# KiCad board numpad.kicad_pcb (continued)
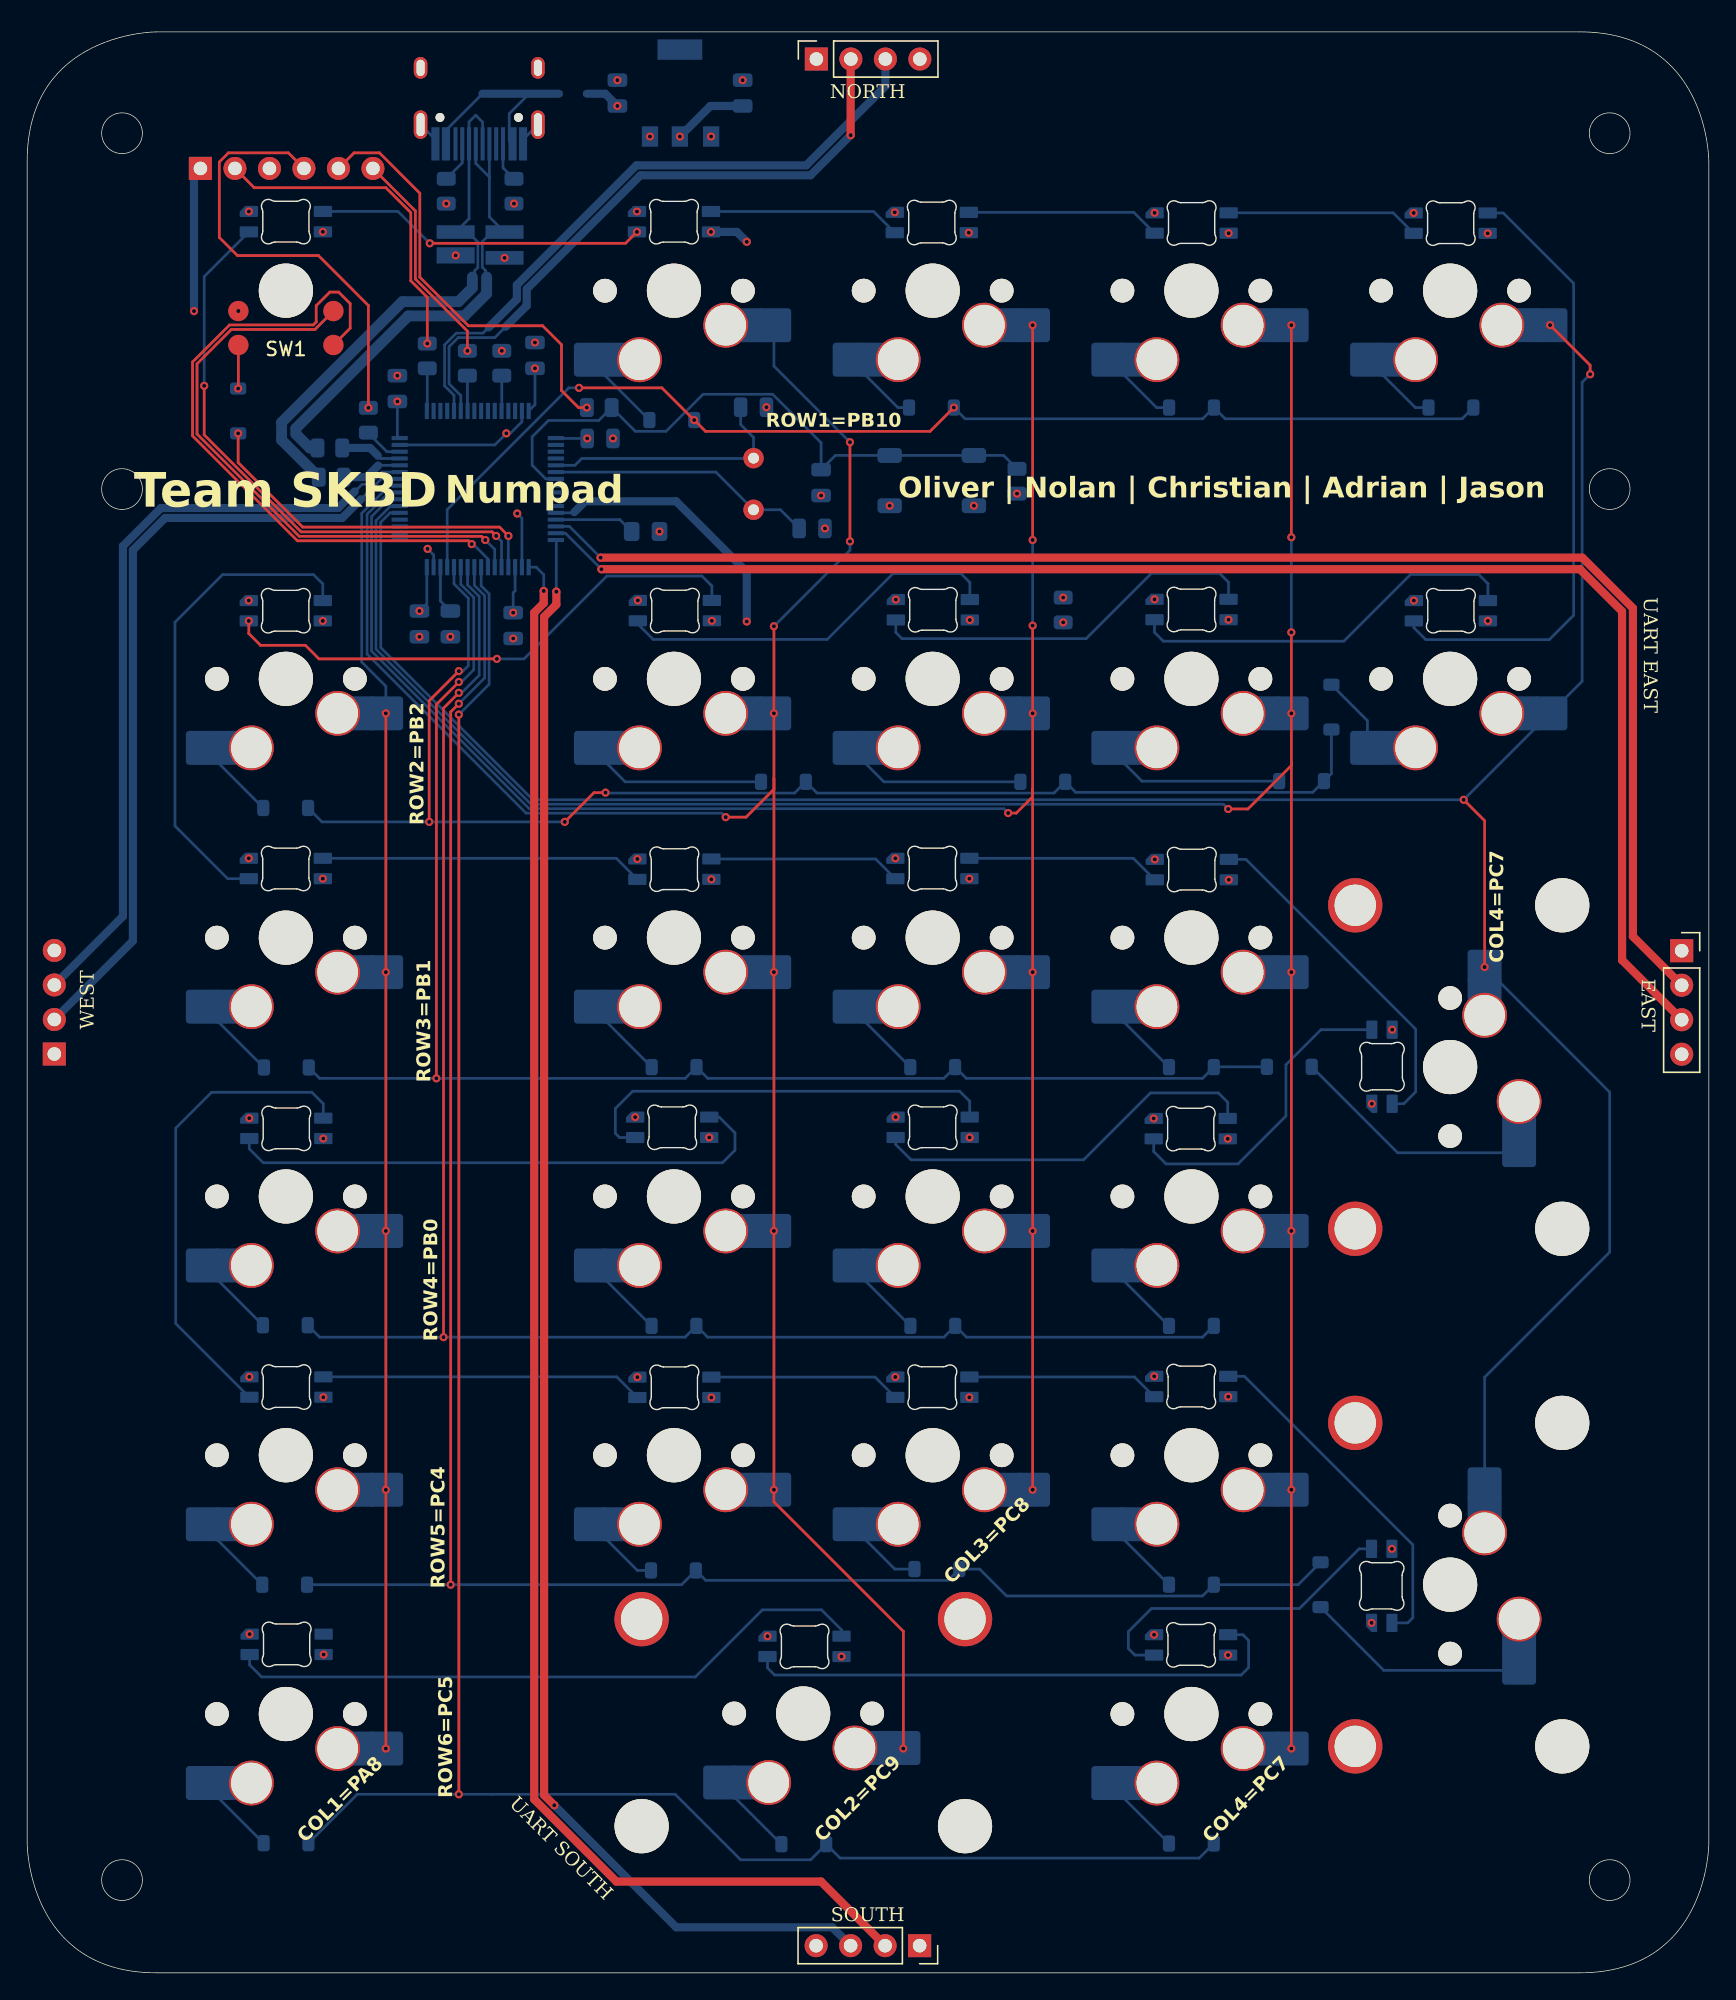
[diagram p0: board, top side]
## Footprints (pads in the part's own frame, mm; a bottom-side part is the same pattern mirrored in y, then rotated)
C_0805_2012Metric
  rrect 1x1.45 smd: 1(-0.95,0) 2(0.95,0)
Crystal_HC52-U_Vertical
  round 1.5 hole 0.8: 1(0,0) 2(3.8,0)
D_SOD-123
  rrect 0.9x1.2 smd: 1(-1.65,0) 2(1.65,0)
D_SOD-323
  rrect 0.6x0.45 smd: 1(-1.05,0) 2(1.05,0)
Fuse_0805_2012Metric_Pad1.15x1.40mm_BigPads
  rrect 1.15x1.4 smd: 1(-1.025,0) 2(1.025,0)
HRO-TYPE-C-31-M-12-HandSoldering
  round 0.65 hole 0.65 unplated: (-2.89,6.25) (2.89,6.25)
  rect 0.6x2.45 smd: 1(-3.225,8.195) 2(-2.45,8.195) 11(2.45,8.195) 12(3.225,8.195)
  rect 0.3x2.45 smd: 3(-1.75,8.195) 4(-1.25,8.195) 5(-0.75,8.195) 6(-0.25,8.195) 7(0.25,8.195) 8(0.75,8.195) 9(1.25,8.195) 10(1.75,8.195)
  oval 1x1.6 hole 0.6x1.2: 13(-4.32,2.6) 13(4.32,2.6)
  oval 1x2.1 hole 0.6x1.7: 13(-4.32,6.78) 13(4.32,6.78)
LED_MX_6028R
  rrect 1.35x0.82 smd: 1(2.725,0.75) 2(2.725,-0.75) 3(-2.725,0.75) 4(-2.725,-0.75)
LQFP64-10x10mm
  rect 1.194x0.305 smd: 1(-5.75,3.75) 2(-5.75,3.25) 3(-5.75,2.75) 4(-5.75,2.25) 5(-5.75,1.75) 6(-5.75,1.25) 7(-5.75,0.75) 8(-5.75,0.25) 9(-5.75,-0.25) 10(-5.75,-0.75) 11(-5.75,-1.25) 12(-5.75,-1.75) 13(-5.75,-2.25) 14(-5.75,-2.75) 15(-5.75,-3.25) 16(-5.75,-3.75) 33(5.75,-3.75) 34(5.75,-3.25) 35(5.75,-2.75) 36(5.75,-2.25) 37(5.75,-1.75) 38(5.75,-1.25) 39(5.75,-0.75) 40(5.75,-0.25) 41(5.75,0.25) 42(5.75,0.75) 43(5.75,1.25) 44(5.75,1.75) 45(5.75,2.25) 46(5.75,2.75) 47(5.75,3.25) 48(5.75,3.75)
  rect 0.305x1.194 smd: 17(-3.75,-5.75) 18(-3.25,-5.75) 19(-2.75,-5.75) 20(-2.25,-5.75) 21(-1.75,-5.75) 22(-1.25,-5.75) 23(-0.75,-5.75) 24(-0.25,-5.75) 25(0.25,-5.75) 26(0.75,-5.75) 27(1.25,-5.75) 28(1.75,-5.75) 29(2.25,-5.75) 30(2.75,-5.75) 31(3.25,-5.75) 32(3.75,-5.75) 49(3.75,5.75) 50(3.25,5.75) 51(2.75,5.75) 52(2.25,5.75) 53(1.75,5.75) 54(1.25,5.75) 55(0.75,5.75) 56(0.25,5.75) 57(-0.25,5.75) 58(-0.75,5.75) 59(-1.25,5.75) 60(-1.75,5.75) 61(-2.25,5.75) 62(-2.75,5.75) 63(-3.25,5.75) 64(-3.75,5.75)
PinSocket_1x04_P2.54mm_Vertical
  rect 1.7x1.7 hole 1: 1(0,0)
  round 1.7 hole 1: 2(0,-2.54) 3(0,-5.08) 4(0,-7.62)
PinSocket_1x06_P2.54mm_Horizontal
  rect 1.7x1.7 hole 1: 1(0,0)
  round 1.7 hole 1: 2(0,-2.54) 3(0,-5.08) 4(0,-7.62) 5(0,-10.16) 6(0,-12.7)
R_0805_2012Metric
  rrect 1.025x1.4 smd: 1(-0.912,0) 2(0.912,0)
ROT_SKYLOONG_HS-Switch
  round 3.988 hole 3.988 unplated: (0,0)
  round 1.5 smd: A(3.5,-4) B(3.5,-1.5) C(-3.5,-1.5) S(-3.5,-4)
SOT223
  rect 1.2x1.5 smd: 1(-2.3,-3.2) 2(0,-3.2) 3(2.2,-3.2)
  rect 3.3x1.5 smd: 2B(0,3.2)
SOT-143_Handsoldering
  rect 2.8x1.2 smd: 1(-1.8,0.77)
  rect 2.8x1 smd: 2(-1.8,-0.95) 3(1.8,-0.95)
  trapezoid 2.8x1 smd: 4(1.8,0.95)
STAB_MX_P_2u
  round 4 hole 3.048: (-11.906,6.985) (11.906,6.985)
  round 3.988 hole 3.988 unplated: (-11.906,-8.255) (11.906,-8.255)
SW_MX_HS_CPG151101S11_1u
  round 1.75 hole 1.75 unplated: (-5.08,0) (5.08,0)
  round 3.988 hole 3.988 unplated: (0,0)
  round 3.3 hole 3: 1(3.81,2.54) 2(-2.54,5.08)
  rect 1.65x2.5 smd: 1(5.635,2.54) 2(-4.34,5.08)
  rrect 2.55x2.5 smd: 1(7.36,2.54) 2(-6.09,5.08)
SW_SPST_SKQG_WithStem
  rrect 1.8x1.1 smd: 1(-3.1,1.85) 1(3.1,1.85) 2(-3.1,-1.85) 2(3.1,-1.85)

## Nets
+3.3V: C3.1 C4.1 C5.1 C6.1 C8.2 C10.1 FB1.2 IC1.2 J1.1 R13.2 SW1.C U1.1 U1.19 U1.32 U1.48 U1.64
+5V: C7.1 D1.4 D2.1 EAST.1 IC1.3 LED1.1 LED2.1 LED3.1 LED4.1 LED5.1 LED6.1 LED7.1 LED8.1 LED9.1 LED10.1 LED11.1 LED12.1 LED13.1 LED14.1 LED15.1 LED16.1 LED17.1 LED18.1 LED19.1 LED20.1 LED21.1 LED22.1 LED23.1 LED24.1 LED25.1 LED26.1 LED27.1 NORTH.4 SOUTH.1 WEST.4
AGND: R10.1 U1.12
GND: C1.2 C2.2 C3.2 C4.2 C5.2 C6.2 C7.2 C8.1 C9.1 C10.2 C11.1 D1.1 EAST.4 IC1.1 J1.3 LED1.4 LED2.4 LED3.4 LED4.4 LED5.4 LED6.4 LED7.4 LED8.4 LED9.4 LED10.4 LED11.4 LED12.4 LED13.4 LED14.4 LED15.4 LED16.4 LED17.4 LED18.4 LED19.4 LED20.4 LED21.4 LED22.4 LED23.4 LED24.4 LED25.4 LED26.4 LED27.4 NORTH.1 R1.2 R2.2 R5.1 R10.2 SOUTH.4 SW2.2 U1.18 U1.31 U1.47 U1.63 USB1.1 USB1.12 USB1.13 WEST.1
/COL1: MACRO_E1.1 MACRO_F1.1 MACRO_G1.1 MACRO_H1.1 MACRO_I1.1 U1.41
/COL2: MACRO_A1.1 NUM_0.1 NUM_1.1 NUM_4.1 NUM_7.1 NUM_LOCK1.1 U1.40
/COL3: MACRO_B1.1 NUM_2.1 NUM_5.1 NUM_8.1 NUM_DIV1.1 U1.39
/COL4: MACRO_C1.1 NUM_3.1 NUM_6.1 NUM_10.1 NUM_MULT1.1 NUM_PERIOD1.1 U1.38
/COL5: MACRO_D1.1 NUM_ADD1.1 NUM_ENTER1.1 NUM_SUB1.1 U1.37
/D+: D1.3 R4.1 USB1.6 USB1.8
/D-: D1.2 R3.2 USB1.5 USB1.7
/JTCLK: R6.2 U1.49
/JTMS: R7.2 U1.46
/NRST: C11.2 R8.1 R13.1 SW2.1 U1.7
/RGB_DATAIN: LED5.3 U1.21
/ROT_SW: D29.1 U1.20
/ROT_TIMA: SW1.A U1.23
/ROT_TIMB: SW1.B U1.22
/ROW1: D3.1 D4.1 D5.1 D6.1 U1.29
/ROW2: D7.1 D8.1 D9.1 D10.1 D24.1 U1.28
/ROW3: D11.1 D12.1 D13.1 D14.1 D25.1 U1.27
/ROW4: D15.1 D16.1 D17.1 D26.1 U1.26
/ROW5: D18.1 D19.1 D20.1 D21.1 D27.1 U1.25
/ROW6: D22.1 D23.1 D28.1 U1.24
/SWO: R9.2 U1.55
/UART_RX_EAST: EAST.2 U1.14
/UART_RX_NORTH: NORTH.2 U1.54
/UART_RX_SOUTH: SOUTH.2 U1.17
/UART_RX_WEST: U1.42 WEST.2
/UART_TX_EAST: EAST.3 U1.15
/UART_TX_NORTH: NORTH.3 U1.53
/UART_TX_SOUTH: SOUTH.3 U1.16
/UART_TX_WEST: U1.43 WEST.3
Net-(D2-A): D2.2 USB1.2 USB1.11
Net-(D3-A): D3.2 MACRO_A1.2
Net-(D4-A): D4.2 MACRO_B1.2
Net-(D5-A): D5.2 MACRO_C1.2
Net-(D6-A): D6.2 MACRO_D1.2
Net-(D7-A): D7.2 NUM_LOCK1.2
Net-(D8-A): D8.2 NUM_DIV1.2
Net-(D9-A): D9.2 NUM_MULT1.2
Net-(D10-A): D10.2 NUM_SUB1.2
Net-(D11-A): D11.2 NUM_7.2
Net-(D12-A): D12.2 NUM_8.2
Net-(D13-A): D13.2 NUM_10.2
Net-(D14-A): D14.2 NUM_ADD1.2
Net-(D15-A): D15.2 NUM_4.2
Net-(D16-A): D16.2 NUM_5.2
Net-(D17-A): D17.2 NUM_6.2
Net-(D18-A): D18.2 NUM_1.2
Net-(D19-A): D19.2 NUM_2.2
Net-(D20-A): D20.2 NUM_3.2
Net-(D21-A): D21.2 NUM_ENTER1.2
Net-(D22-A): D22.2 NUM_0.2
Net-(D23-A): D23.2 NUM_PERIOD1.2
Net-(D24-A): D24.2 MACRO_E1.2
Net-(D25-A): D25.2 MACRO_F1.2
Net-(D26-A): D26.2 MACRO_G1.2
Net-(D27-A): D27.2 MACRO_H1.2
Net-(D28-A): D28.2 MACRO_I1.2
Net-(D29-A): D29.2 SW1.S
Net-(J1-Pin_2): J1.2 R6.1
Net-(J1-Pin_4): J1.4 R7.1
Net-(J1-Pin_5): J1.5 R8.2
Net-(J1-Pin_6): J1.6 R9.1
Net-(LED1-DIN): LED1.3 LED2.2
Net-(LED1-DOUT): LED1.2 LED10.3
Net-(LED2-DIN): LED2.3 LED3.2
Net-(LED3-DIN): LED3.3 LED4.2
Net-(LED4-DIN): LED4.3 LED5.2
Net-(LED6-DIN): LED6.3 LED7.2
Net-(LED7-DIN): LED7.3 LED8.2
Net-(LED8-DIN): LED8.3 LED9.2
Net-(LED10-DOUT): LED9.3 LED10.2
Net-(LED11-DIN): LED11.3 LED12.2
Net-(LED11-DOUT): LED11.2 LED19.3
Net-(LED12-DIN): LED12.3 LED13.2
Net-(LED13-DIN): LED13.3 LED14.2
Net-(LED14-DIN): LED14.3 LED15.2
Net-(LED15-DIN): LED6.2 LED15.3
Net-(LED16-DIN): LED16.3 LED17.2
Net-(LED16-DOUT): LED16.2 LED21.3
Net-(LED17-DIN): LED17.3 LED18.2
Net-(LED18-DIN): LED18.3 LED19.2
Net-(LED20-DIN): LED20.3 LED27.2
Net-(LED20-DOUT): LED20.2 LED26.3
Net-(LED21-DOUT): LED21.2 LED22.3
Net-(LED22-DOUT): LED22.2 LED23.3
Net-(LED23-DOUT): LED23.2 LED24.3
Net-(LED24-DOUT): LED24.2 LED25.3
Net-(LED25-DOUT): LED25.2 LED27.3
Net-(U1-BOOT): R5.2 U1.60
Net-(U1-OSCIN): C1.1 U1.5 Y1.2
Net-(U1-OSCOUT): C2.1 U1.6 Y1.1
Net-(U1-PA11): R3.1 U1.44
Net-(U1-PA12): R4.2 U1.45
Net-(U1-VCAP): C9.2 U1.30
Net-(U1-VDDA): FB1.1 U1.13
Net-(USB1-CC1): R2.1 USB1.4
Net-(USB1-CC2): R1.1 USB1.10

Pads without a net: IC1 2B; LED26 2; U1 2 3 4 8 9 10 11 33 34 35 36 50 51 52 56 57 58 59 61 62; USB1 3 9

## Via types
v1: diameter 0.6, hole 0.3, Top to Bottom, 163 vias

## Routing (per net, layer and track width the routed paths; a pad name or vN(x,y) marks a point on that pad's centre or on a via; arc(x,y) is an arc through that point)
+3.3V: length 31.5
  Bottom w0.2: v1(41.23,112.94) 38.95,112.94 U1.1 ; v1(35.79,100.12) 35.79,101.58 35.93,101.73 U1.19 ; v1(28.89,100.24) 29.43,100.79 U1.32 ; U1.64 37.39,115.43 v1(37.39,118.11) ; v1(27.26,115.67) 27.26,113.14 U1.48
  Bottom w0.6: C8.2 50.31,137.42 v1(48.06,135.17) ; J1.1 12.29,132.34 v1(12.29,122.32)
  vias: v1(15.55,122.32) v1(46.56,106.09) v1(72.89,108.88)
+5V: length 5.5
  Bottom w0.6: D2.1 42.56,138.32 v1(43.46,137.42) ; v1(50.35,128.15) 52.26,128.15 v1(52.98,127.42)
  vias: v1(21.78,128.15) v1(21.77,99.51) v1(21.77,80.54) v1(21.81,61.41) v1(21.81,42.37) v1(21.83,23.43) v1(35.15,126.24) v1(45.86,135.17) v1(50.22,61.49) v1(50.42,99.52) v1(50.38,80.49) v1(50.38,42.35) v1(59.96,23.28) v1(69.34,128.09) v1(69.41,99.58) v1(69.38,80.54) v1(69.4,61.49) v1(69.38,42.36) v1(88.4,61.39) v1(88.44,42.41) v1(88.43,23.39) v1(88.47,128.05) v1(88.46,99.6) v1(88.48,80.46) v1(100.51,69.42) v1(100.49,31.21) v1(107.54,128.04) v1(107.56,99.51)
AGND: length 20.1
  Bottom w0.2: U1.12 40.17,107.47
  Bottom w0.6: v1(52.98,99.47) 52.98,103.12 47.79,108.32 41.09,108.32 40.29,107.52
  vias: v1(76.29,99.41)
GND: length 19.9
  Bottom w0.2: USB1.13 36.51,134.95 USB1.12 ; U1.47 34.44,112.47 v1(35.29,113.32) 35.58,113.32 36.43,114.17 U1.63 ; v1(36.09,107.42) 36.43,107.08 U1.18 ; USB1.13 30.06,134.95 USB1.1 ; v1(29.49,104.82) 29.93,104.38 U1.31
  vias: v1(16.32,129.65) v1(16.32,101.01) v1(16.32,82.04) v1(16.36,62.91) v1(16.36,43.87) v1(16.38,24.93) v1(27.26,117.57) v1(28.89,98.34) v1(30.86,130.23) v1(31.16,98.34) v1(31.55,126.42) v1(34.95,119.39) v1(35.79,98.22) v1(35.84,130.23) v1(37.39,120.01) v1(43.14,112.94) v1(43.46,139.32) v1(44.77,62.99) v1(44.9,129.65) v1(44.93,81.99) v1(44.93,43.85) v1(44.97,101.02) v1(50.36,135.17) v1(52.69,139.32) v1(54.44,115.24) v1(54.51,24.78) v1(58.46,108.74) v1(58.74,106.32) v1(63.51,107.99) v1(63.89,129.59) v1(63.93,82.04) v1(63.93,43.86) v1(63.96,101.08) v1(63.95,62.99) v1(69.71,107.99) v1(76.29,101.23) v1(83.02,129.55) v1(83.01,101.1) v1(83.03,81.96) v1(82.95,62.89) v1(82.98,43.91) v1(82.98,24.89) v1(99.01,63.97) v1(98.99,25.76) v1(102.09,129.54) v1(102.11,101.01)
/COL1: length 95.3
  Top w0.2: v1(26.41,92.71) v1(26.41,73.66) v1(26.41,54.61) v1(26.41,35.56) v1(26.41,16.51)
  Bottom w0.2: U1.41 26.67,109.47 24.64,107.44 24.64,96.48 26.41,94.71 v1(26.41,92.71)
/COL2: length 163.3
  Top w0.2: 54.98,87.92 v1(54.98,73.66) v1(54.98,54.61) v1(54.98,35.56) 54.98,34.67 64.52,25.13 64.52,16.52 v1(64.51,16.51) ; 54.98,87.92 54.98,87.12 52.94,85.07 v1(51.44,85.07) ; 54.98,87.92 v1(54.98,92.71) v1(54.98,99.12) ; v1(60.59,112.67) v1(60.59,105.37)
  Bottom w0.2: v1(60.59,112.67) 54.98,118.27 MACRO_A1.1 ; v1(60.59,105.37) 60.59,104.72 v1(54.98,99.12) ; U1.40 26.63,108.97 25.03,107.37 25.03,97.08 36.74,85.36 51.14,85.36 v1(51.44,85.07)
/COL3: length 152.9
  Top w0.2: 74.04,87.17 v1(74.04,92.71) v1(74.04,99.17) ; 74.04,87.17 74.04,86.57 72.84,85.37 v1(72.23,85.37) ; 74.04,87.17 v1(74.04,73.66) v1(74.04,54.61) v1(74.04,35.56) ; v1(74.04,121.28) v1(74.04,105.47)
  Bottom w0.2: v1(72.23,85.37) 71.91,85.69 36.96,85.69 25.36,97.3 25.36,107.2 26.63,108.47 U1.39 ; v1(74.04,105.47) v1(74.04,99.17)
/COL4: length 190.3
  Top w0.2: v1(88.44,85.67) 89.89,85.67 93.09,88.87 93.09,89.12 ; v1(93.09,121.28) v1(93.09,105.67) ; 93.09,89.12 v1(93.09,92.71) v1(93.09,98.67) ; 93.09,89.12 v1(93.09,73.66) v1(93.09,54.61) v1(93.09,35.56) v1(93.09,16.51)
  Bottom w0.2: v1(88.44,85.67) 88.09,86.02 37.1,86.02 25.68,97.43 25.68,106.9 26.76,107.97 U1.38 ; v1(93.09,105.67) v1(93.09,98.67)
/COL5: length 194
  Top w0.2: v1(112.14,121.28) 115.08,118.33 v1(115.08,117.67) ; v1(107.32,74.03) 107.32,84.81 v1(105.77,86.35)
  Bottom w0.2: U1.37 26.72,107.47 26.04,106.78 26.04,97.55 37.23,86.35 v1(105.77,86.35) NUM_SUB1.1 114.49,95.07 114.49,117.08 v1(115.08,117.67) ; v1(107.32,74.03) 116.52,64.83 116.52,53.05 107.32,43.84 NUM_ENTER1.1
/D+: length 36.4
  Bottom w0.2: 33.83,124.83 33.76,124.9 33.76,125.29 33.51,125.54 33.51,127.43 34.22,128.14 D1.3 34.04,129.25 34.04,132.19 ; 34.04,134.62 34.04,132.19 ; 34.04,132.19 33.04,133.19 33.04,134.62
  Bottom w0.8: 21.47,112.25 20.81,112.25 19.78,113.27 19.78,113.69 28.06,121.96 32.2,121.96 33.83,123.6 33.83,124.83
/D-: length 40.3
  Bottom w0.2: 32.78,124.83 32.95,125 32.95,125.3 33.19,125.53 33.19,127.4 32.45,128.14 31.55,128.14 32.53,129.12 32.53,136.25 33.03,136.74 33.54,136.23 33.54,134.62
  Bottom w0.8: 21.47,110.1 18.73,112.83 18.73,114.12 27.63,123.01 31.76,123.01 32.78,124.03 32.78,124.83
/JTCLK: length 3.2
  Bottom w0.2: R6.2 29.46,115 U1.49
/JTMS: length 2.9
  Bottom w0.2: R7.2 25.13,113.33 26.48,111.97 U1.46
/NRST: length 47
  Bottom w0.2: R13.1 71.9,111.69 59.51,111.69 58.46,110.64 58.46,112.63 54.89,116.2 49.77,116.2 47.04,113.47 44.78,113.47 R8.1 42.09,114.27 38.39,114.27 37.19,113.07 37.19,110.97 38.18,109.97 U1.7
/RGB_DATAIN: length 43.4
  Top w0.2: v1(34.54,105.77) 34.23,106.07 20.17,106.07 13.04,113.21 v1(13.04,116.82)
  Bottom w0.2: v1(34.54,105.77) 34.93,105.38 U1.21 ; LED5.3 13.04,124.86 v1(13.04,116.82)
/ROT_SW: length 26.6
  Top w0.2: v1(15.54,113.32) 15.54,111.17 20.29,106.42 34.79,106.42 v1(35.44,105.77)
  Bottom w0.2: U1.20 35.43,105.76 v1(35.44,105.77)
/ROT_TIMA: length 49.9
  Top w0.2: SW1.A 23.79,121.06 23.79,122.87 22.93,123.72 22.29,123.72 21.29,122.72 21.29,121.52 21.06,121.3 14.9,121.3 12.18,118.58 12.18,113.13 19.9,105.41 32.49,105.41 v1(32.73,105.17)
  Bottom w0.2: U1.23 33.93,104.08 32.84,105.17 v1(32.73,105.17)
/ROT_TIMB: length 43.6
  Top w0.2: SW1.B 21.2,120.97 15.04,120.97 12.51,118.44 12.51,113.27 20.04,105.74 33.46,105.74 v1(33.73,105.47)
  Bottom w0.2: v1(33.73,105.47) 34.43,104.78 U1.22
/ROW1: length 86.9
  Top w0.2: v1(40.64,116.67) 46.73,116.67 49.11,114.3 v1(49.12,114.3) 49.95,113.47 66.48,113.47 v1(68.23,115.22)
  Bottom w0.2: U1.29 30.93,107.71 39.89,116.67 v1(40.64,116.67) ; v1(68.23,115.22) 69.06,114.39 86.56,114.39 D5.1 88.21,114.39 105.66,114.39 D6.1
/ROW2: length 102.4
  Top w0.2: v1(42.59,86.87) 42.58,86.87 41.73,86.87 v1(39.59,84.72) ; v1(31.79,95.82) 29.6,93.64 v1(29.6,84.72)
  Bottom w0.2: v1(31.79,95.82) 32.09,95.82 32.48,96.22 32.48,101.18 31.43,102.24 U1.28 ; v1(39.59,84.72) 21.71,84.72 D24.1 ; D10.1 96.04,88.27 D9.1 94.66,86.89 77.21,86.89 D8.1 75.61,86.84 58.16,86.84 D7.1 56.51,86.84 42.62,86.84 v1(42.59,86.87)
/ROW3: length 111.9
  Top w0.2: v1(31.79,95.02) 30.13,93.37 v1(30.13,65.84)
  Bottom w0.2: U1.27 31.93,102.2 32.89,101.25 32.89,95.92 31.99,95.02 v1(31.79,95.02) ; D25.1 21.54,65.84 48.46,65.84 D11.1 50.11,65.84 67.5,65.84 D12.1 69.15,65.84 86.55,65.84 D13.1 87.4,66.69 D14.1
/ROW4: length 127
  Top w0.2: v1(31.79,94.22) 30.66,93.09 v1(30.66,46.79)
  Bottom w0.2: D17.1 86.55,46.79 69.16,46.79 D16.1 67.51,46.79 50.1,46.79 D15.1 48.45,46.79 21.54,46.79 D26.1 ; U1.26 32.43,102.17 33.29,101.31 33.29,95.52 31.99,94.22 v1(31.79,94.22)
/ROW5: length 153.8
  Top w0.2: v1(31.79,93.42) 31.18,92.82 v1(31.18,28.57)
  Bottom w0.2: D21.1 93.59,28.57 D20.1 86.55,27.74 72.11,27.74 70.14,29.72 D19.1 67.81,28.89 49.96,28.89 D18.1 48.19,28.57 v1(31.18,28.57) D27.1 ; v1(31.79,93.42) 33.69,95.32 33.69,101.38 32.93,102.13 U1.25
/ROW6: length 163
  Top w0.2: v1(31.79,92.62) v1(31.79,13.14)
  Bottom w0.2: v1(31.79,92.62) 34.01,94.85 34.01,101.51 33.43,102.1 U1.24 ; D23.1 86.3,8.45 59.86,8.45 D22.1 57.69,8.32 52.54,8.32 47.71,13.14 v1(31.79,13.14) 24.31,13.14 D28.1
/SWO: length 2.6
  Bottom w0.2: U1.55 32.42,114.98 R9.2
/UART_RX_EAST: length 111
  Top w0.6: v1(42.23,104.17) 114.51,104.17 118.23,100.45 118.23,76.29 EAST.2
  Bottom w0.2: v1(42.23,104.17) 39.93,106.47 U1.14
/UART_RX_NORTH: length 47.4
  Top w0.6: v1(60.64,135.27) 60.64,140.86 NORTH.2
  Bottom w0.2: 35.23,121.17 34.44,120.37 31.74,120.37 31.06,119.7 31.06,116.97 31.93,116.1 U1.54
  Bottom w0.6: 35.23,121.17 36.79,122.72 36.79,123.94 45.16,132.32 57.69,132.32 v1(60.64,135.27)
/UART_RX_SOUTH: length 122.1
  Top w0.6: SOUTH.2 58.45,6.72 43.39,6.72 37.34,12.77 37.34,100.12 38.04,100.82 v1(38.04,101.72)
  Bottom w0.2: U1.17 37.48,103.47 38.04,102.92 v1(38.04,101.72)
/UART_RX_WEST: length 58.8
  Bottom w0.2: U1.42 26.07,109.97 24.58,108.47
  Bottom w0.6: 24.58,108.47 23.2,107.09 10.15,107.09 7.78,104.72 7.78,75.96 WEST.2
/UART_TX_EAST: length 112.8
  Top w0.6: EAST.3 117.44,74.55 117.44,100.22 114.33,103.32 v1(42.29,103.32)
  Bottom w0.2: U1.15 39.64,105.97 v1(42.29,103.32)
/UART_TX_NORTH: length 48.1
  Bottom w0.2: U1.53 31.43,116.13 30.74,116.82 30.74,119.83 31.6,120.7 33.56,120.7 33.98,121.12
  Bottom w0.6: 33.98,121.12 36.06,123.19 36.06,124.24 44.86,133.05 57.36,133.05 63.19,138.88 NORTH.3
/UART_TX_SOUTH: length 119.9
  Top w0.6: v1(38.81,12.33) 38.06,13.08 38.06,99.82 38.96,100.72 v1(38.96,101.67)
  Bottom w0.2: v1(38.96,101.67) 38.96,105.44 U1.16
  Bottom w0.6: v1(38.81,12.33) 47.8,3.35 59.28,3.35 SOUTH.3
/UART_TX_WEST: length 56.9
  Bottom w0.2: 24.22,109.13 24.66,109.57 25.21,109.57 26.11,110.47 U1.43
  Bottom w0.6: WEST.3 7.05,77.77 7.05,105.03 9.85,107.82 22.9,107.82 24.12,109.05
Net-(D2-A): length 17
  Bottom w0.2: D2.2 36.96,138.32 35.5,136.86 35.5,134.87 USB1.11 ; USB1.2 30.84,135.63 33.53,138.32
  Bottom w0.6: 33.53,138.32 D2.2
Net-(D3-A): length 6.2
  Bottom w0.2: D3.2 41.54,118.58 MACRO_A1.2
Net-(D4-A): length 6.6
  Bottom w0.2: 60.59,117.92 MACRO_B1.2 64.11,115.22 D4.2
Net-(D5-A): length 5.9
  Bottom w0.2: MACRO_C1.2 83.16,115.22 D5.2
Net-(D6-A): length 6
  Bottom w0.2: MACRO_D1.2 102.21,115.22 D6.2
Net-(D7-A): length 13.5
  Bottom w0.2: NUM_LOCK1.2 44.04,87.67 D7.2
Net-(D8-A): length 13.6
  Bottom w0.2: NUM_DIV1.2 63.09,87.67 D8.2
Net-(D9-A): length 13.6
  Bottom w0.2: NUM_MULT1.2 82.09,87.72 D9.2
Net-(D10-A): length 5.7
  Bottom w0.2: D10.2 98.69,92.17 NUM_SUB1.2
Net-(D11-A): length 6.3
  Bottom w0.2: D11.2 NUM_7.2
Net-(D12-A): length 6.3
  Bottom w0.2: D12.2 60.59,71.11 NUM_8.2
Net-(D13-A): length 6.3
  Bottom w0.2: NUM_10.2 79.64,71.11 D13.2
Net-(D14-A): length 18
  Bottom w0.2: D14.2 100.91,60.36 109.64,60.36 NUM_ADD1.2
Net-(D15-A): length 6.3
  Bottom w0.2: D15.2 41.54,52.06 NUM_4.2
Net-(D16-A): length 6.3
  Bottom w0.2: NUM_5.2 D16.2
Net-(D17-A): length 6.3
  Bottom w0.2: NUM_6.2 79.64,52.06 D17.2
Net-(D18-A): length 5.8
  Bottom w0.2: NUM_1.2 44.94,29.62 D18.2
Net-(D19-A): length 6.1
  Bottom w0.2: D19.2 63.89,29.72 NUM_2.2
Net-(D20-A): length 6.3
  Bottom w0.2: NUM_3.2 79.64,33.01 D20.2
Net-(D21-A): length 16.3
  Bottom w0.2: D21.2 99.89,22.26 109.64,22.26
Net-(D22-A): length 6.4
  Bottom w0.2: D22.2 51.06,13.94 51.06,13.97
Net-(D23-A): length 6.3
  Bottom w0.2: D23.2 84.08,9.53 NUM_PERIOD1.2
Net-(D24-A): length 6.3
  Bottom w0.2: MACRO_E1.2 D24.2
Net-(D25-A): length 6.3
  Bottom w0.2: MACRO_F1.2 D25.2
Net-(D26-A): length 6.2
  Bottom w0.2: MACRO_G1.2 D26.2
Net-(D27-A): length 6.3
  Bottom w0.2: 17.31,28.57 12.96,32.92 MACRO_H1.2
Net-(D28-A): length 6.3
  Bottom w0.2: D28.2 12.99,13.97 MACRO_I1.2
Net-(D29-A): length 3.2
  Top w0.2: v1(15.54,116.62) 15.55,116.63 SW1.S
Net-(J1-Pin_2): length 24.4
  Top w0.2: v1(29.46,119.93) 29.46,123.34 28.25,124.55 28.25,129.57 26.42,131.4 16.72,131.4 J1.2
Net-(J1-Pin_4): length 33.1
  Top w0.2: v1(25.13,115.2) 25.13,122.73 21.45,126.41 15.48,126.41 14.15,127.74 14.15,133.3 14.82,133.97 19.23,133.97 J1.4
Net-(J1-Pin_5): length 32.1
  Top w0.2: J1.5 24.07,133.97 25.94,133.97 28.91,130.99 28.91,124.81 32.49,121.24 37.95,121.24 39.34,119.85 39.34,116.47 40.59,115.22 v1(41.21,115.22)
Net-(J1-Pin_6): length 16.3
  Top w0.2: J1.6 28.59,129.69 28.59,124.68 32.42,120.85 v1(32.42,119.39)
Net-(LED1-DIN): length 14.3
  Bottom w0.2: LED1.3 100.58,129.55 LED2.2
Net-(LED1-DOUT): length 46.3
  Bottom w0.2: LED1.2 108.69,129.54 113.87,124.36 113.87,99.93 112.08,98.14 102.98,98.14 102.11,99.01 LED10.3
Net-(LED2-DIN): length 14.3
  Bottom w0.2: LED2.3 81.48,129.59 LED3.2
Net-(LED3-DIN): length 14.2
  Bottom w0.2: LED4.2 62.33,129.65 LED3.3
Net-(LED4-DIN): length 24.4
  Top w0.2: v1(44.9,128.15) 44.06,127.31 v1(29.65,127.31)
  Bottom w0.2: v1(29.65,127.31) 27.3,129.65 LED5.2
Net-(LED6-DIN): length 39.7
  Top w0.2: v1(16.32,99.51) 16.32,98.59 17.18,97.72 20.49,97.72 21.49,96.72 v1(34.59,96.72)
  Bottom w0.2: v1(34.59,96.72) 36.59,96.72 42.69,102.82 49.69,102.82 50.42,102.09 LED7.2
Net-(LED7-DIN): length 28.7
  Bottom w0.2: LED7.3 44.97,99.29 46.1,98.15 58.91,98.15 63.76,103 68.76,103 69.42,102.34 69.41,102.34 LED8.2
Net-(LED8-DIN): length 29.1
  Bottom w0.2: LED8.3 63.96,98.66 64.42,98.21 77.98,98.21 82.79,103.02 87.8,103.02 88.47,102.35 88.46,102.35 LED9.2
Net-(LED10-DOUT): length 29.3
  Bottom w0.2: LED10.2 107.56,102.24 107.57,102.25 106.88,102.93 101.86,102.93 96.95,98.02 83.66,98.02 83.01,98.67 LED9.3
Net-(LED11-DIN): length 25.6
  Bottom w0.2: LED12.2 89.74,81.96 102.24,69.46 102.24,64.85 101.36,63.97 LED11.3
Net-(LED11-DOUT): length 23.7
  Bottom w0.2: 82.95,61.39 82.95,60.45 83.86,59.54 89.16,59.54 92.69,63.07 92.69,66.84 95.26,69.42 LED11.2
Net-(LED12-DIN): length 14.3
  Bottom w0.2: LED13.2 81.45,82.04 83.03,80.46
Net-(LED13-DIN): length 14.1
  Bottom w0.2: LED13.3 62.48,81.99 50.38,81.99
Net-(LED14-DIN): length 23.8
  Bottom w0.2: LED14.3 43.38,82.04 LED15.2
Net-(LED15-DIN): length 35.9
  Bottom w0.2: LED6.2 21.77,102.24 21.09,102.92 14.39,102.92 10.89,99.42 10.89,84.42 14.77,80.54 16.32,80.54
Net-(LED16-DIN): length 41
  Bottom w0.2: LED17.2 50.96,62.99 52.12,61.83 52.12,60.55 51.19,59.63 17.39,59.63 16.36,60.66 LED16.3
Net-(LED16-DOUT): length 35.4
  Bottom w0.2: LED16.2 21.81,63.97 20.95,64.82 20.94,64.81 13.58,64.81 10.94,62.18 10.94,47.79 LED21.3
Net-(LED17-DIN): length 31.5
  Bottom w0.2: LED18.2 69.4,64.15 68.66,64.89 44.59,64.89 43.31,63.62 43.31,61.79 43.62,61.49 LED17.3
Net-(LED18-DIN): length 28.9
  Bottom w0.2: 63.95,61.49 63.95,60.98 65.09,59.84 77.79,59.84 82.71,64.77 87.71,64.77 88.4,64.08 LED19.2
Net-(LED20-DIN): length 40.4
  Bottom w0.2: LED20.3 54.51,22.44 55.04,21.92 89.39,21.92 89.94,22.47 89.94,24.47 89.52,24.89 LED27.2
Net-(LED20-DOUT): length 47.8
  Bottom w0.2: LED20.2 59.96,25.24 58.48,26.72 54.14,26.72 49.2,21.78 17.26,21.78 16.38,22.66 LED26.3
Net-(LED21-DOUT): length 23.7
  Bottom w0.2: LED22.3 43.41,43.87 21.81,43.87
Net-(LED22-DOUT): length 14.2
  Bottom w0.2: 50.38,43.85 62.44,43.85 LED23.3
Net-(LED23-DOUT): length 14.2
  Bottom w0.2: LED24.3 81.54,43.86 LED23.2
Net-(LED24-DOUT): length 25.8
  Bottom w0.2: LED24.2 89.63,43.91 102.03,31.51 102.03,26.14 101.65,25.76 LED25.3
Net-(LED25-DOUT): length 23.8
  Bottom w0.2: LED25.2 98.08,31.21 93.69,26.82 82.79,26.82 81.09,25.12 81.09,23.87 81.57,23.39 LED27.3
Net-(U1-BOOT): length 2.6
  Bottom w0.2: U1.60 34.95,114.99 R5.2
Net-(U1-OSCIN): length 18.9
  Bottom w0.2: C1.1 52.54,113.97 53.48,113.02 Y1.2 53.46,111.47 40.84,111.47 40.34,110.97 U1.5
Net-(U1-OSCOUT): length 19.6
  Bottom w0.2: U1.6 50.71,110.47 Y1.1 55.47,107.69 C2.1
Net-(U1-PA11): length 4.5
  Bottom w0.2: U1.44 25.86,110.97 25.84,110.95
  Bottom w0.6: R3.1 24.99,110.1 25.84,110.95
Net-(U1-PA12): length 4.5
  Bottom w0.2: 25.82,111.68 26.03,111.47 U1.45
  Bottom w0.6: 25.82,111.68 25.25,112.25 23.3,112.25
Net-(U1-VCAP): length 3.5
  Bottom w0.2: U1.30 30.43,100.98 C9.2
Net-(U1-VDDA): length 5.9
  Bottom w0.2: U1.13 43.64,106.97 FB1.1
Net-(USB1-CC1): length 3.1
  Bottom w0.2: R2.1 32.04,133.23 USB1.4
Net-(USB1-CC2): length 2.9
  Bottom w0.2: R1.1 35.04,132.86 USB1.10

## Copper pours and planes (outline as drawn; the poured copper is in the pictures)
+3.3V on In2.Cu: 46.98,132.72 38.09,132.72 38.09,123.12 10.99,123.12 10.99,114.02 27.79,97.22 39.98,97.22 47.59,104.82 76.29,104.82 76.29,114.32 39.19,114.32 39.19,117.92 51.98,130.72 51.98,136.62 46.98,136.62
+5V on In2.Cu: -0.63,144.78 -0.63,-2.54 126.36,-2.54 126.36,144.78
AGND on In1.Cu: 47.69,100.32 104.89,100.32 104.89,84.82 104.48,84.42 59.69,84.42 59.69,81.22 59.79,81.12 104.79,81.12 104.89,81.02 104.89,66.72 59.69,66.72 59.69,62.22 104.89,62.22 104.89,47.62 47.69,47.62
GND on In1.Cu: -0.63,144.78 -0.63,-2.54 126.36,-2.54 126.36,144.78

## Text on the board
B.Fab: D8
B.Silkscreen: 5VD | Hatsune / Miku | ARHKEIA | harikitte ikouuu!! | {dblquote}just put your favorite horse girl / and then put kai cenat best moments compilation{dblquote} / - adrian | Numpad | {dblquote}pu to round 1 after this{dblquote} / - nolan | Haru Urara | 0x3939 | ur mom / - christian | UART WEST | UART NORTH | manhattan cafe kai cenat | 0x67 | Team | SKBD
F.Silkscreen: Numpad | ROW1=PB10 | COL1=PA8 | COL2=PC9 | COL3=PC8 | COL4=PC7 | ROW2=PB2 | ROW3=PB1 | ROW4=PB0 | ROW5=PC4 | ROW6=PC5 | Oliver | Nolan | Christian | Adrian | Jason | UART EAST | UART SOUTH | Team SKBD
